# Allegro board FRDM-A-S32K356_PCBLayout.brd (continued)
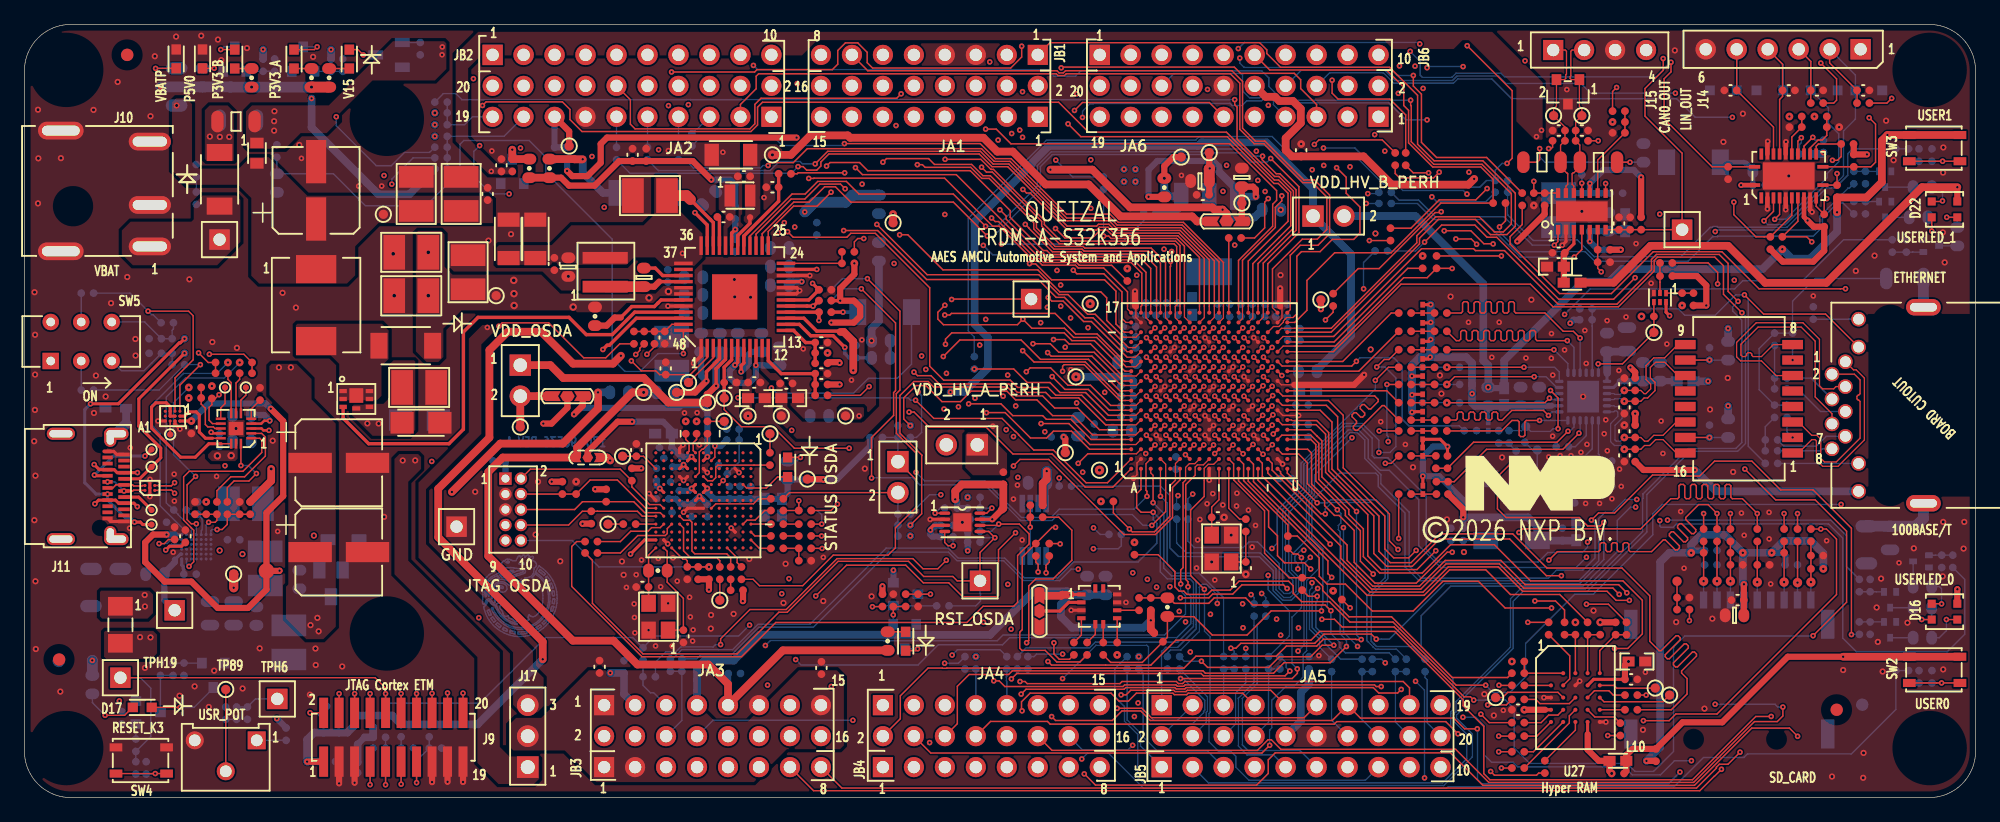
[diagram p0: board, top side]
## Placement (name value [footprint] x y rotation side) (continued)
U4  PTN5110  [HX2QFN16_0P4_2P7X2P7]  17.35 30.28 180 top
U5  TLV76033DBZR  [SOT-23]  25.14 17.57 0 bottom
U6  PCMF1USB3S  [WLCSP5_0P4_0P82X1P22]  10.29 25.4 90 top
U7  NX20P0407  [WLCSP12_0P4_1P3X1P7MM_SMDP]  12.15 31.29 270 top
U8  MK26FN2M0VMI18  [BGA169_0P65_9X9]  55.68 24.38 270 top
U10  NTS0102TLH  [XSON8_0P5_3P1X2P1_EP]  76.91 22.58 0 top
U11  TJA1425BHG  [QFN24_0P5_5P6X3P6_EP]  144.67 50.99 90 top
U12  TJA1043TK/1Y  [HVSON14_0P65_4P6X3P1_EP]  127.71 48.09 90 top
U13  PESD2CANFD24L-TR  [SOT23_A]  126.57 57.89 180 top
U14  KSZ8091RNDIA-TR  [QFN24_4X4MM_SLUG]  127.81 32.89 270 bottom
U17  FXLS8961AFR3  [QFN12_0P65_3X3]  88.14 15.69 0 top
U18  P3T1750DP  [TSSOP8_A]  82.8 21.97 90 bottom
U21  NC7SZ08L6X  [MICROPACK6_0P5_1X1P45]  134.11 41.02 270 top
U27  IS66WVH8M8FBLL  [PBGA24_1_6X8MM]  127.18 8.21 0 top
Y1  16MHZ  [XTLOSC4_3P2X2P5MM_SM]  98.15 20.43 90 top
Y2  16MHZ  [XTLOSC4_3P2X2P5MM_SM]  51.98 14.84 90 top
Y3  25MHz  [XTL4_2P1X1P7MM_SM]  128.65 25.87 270 bottom
Y4  50MHZ  [XTLOSC4_SM]  121.95 23.62 90 bottom

## Library data of the parts
C1 C3 C8 C9 C13 C16 C18 C26 C34 C36 C39-C42 C44-C48 C55-C57 C62 C63 C96-C98 C100 C103 C107 C109 C111 C115 C132 C143-C147 C149-C155 C157-C159 C163-C166 C174 = CAP_NP: room: ETHERNET RMII/MII 10/100PHY
C2 C4 C5 C7 C11 C14 C15 C17 C19 C21-C25 C27 C28 C30 C31 C33 C35 C37 C43 C49 C54 C64-C69 C72-C76 C79 C81-C92 C95 C101 C106 C110 C116-C120 C122-C131 C148 C160 C173 C175-C177 C180-C189 = CAP_NP
C6 C161 C162 = CAP_POL
C10 C12 C20 C29 C32 C102 C108 = CAP_NP: room: MCU HDRs
C50-C53 C58-C61 C70 C71 C77 C78 C80 C121 C167-C172 = CAP_NP: room: POWER SUPPLY_SW
C93 C94 C104 C105 C113 C114 C178 C179 = CAP_NP: room: OPENSDA MCU
C99 = CAP_NP: tolerance: 10%; room: OPENSDA MCU
C112 = CAP_NP: room: CAN-FD PHY
C156 = CAP_NP: room: ARDUINO HDRS
D1 D2 D8 D11 D21 = DIODE_SCHTKY
D3-D6 D10 D17 D18 = LED
D7 = DIODEZ_SOT23
D9 = LED: room: OPENSDA MCU
D14 D15 D23 D24 = DIODE_BIDIR
D16 D22 = LRTBR48G_4P
D20 = DIODE_SCHTKY: room: LIN PHY
F1 F2 = FUSE
J7 = CON_RJ45_1X8_YG
J9 JA2 JA5 JA6 = CONN_HDR_10X2
J10 = DC_POWER_JACK_SHD: room: POWER SUPPLY_LR
J11 = USB24_TYPEC
J12 JP4 JP5 JP11 = CONN_HDR_2X1
J13 = CONN_HDR_5X2
J14 = CONN_HDR_6X1
J15 = CONN_HDR_4X1
J16 = CON_MICROSD_9P_4G
J17 = CONN_HDR_3X1
JA1 JA3 JA4 = CONN_HDR_8X2
JB1 JB3 JB4 = CONN_HDR_8X1
JB2 JB5 JB6 = CONN_HDR_10X1
L1 = INDP
L2-L4 L8 = INDUCTOR
L6 L7 L10 = IND_FERRITE: tolerance: 25%; room: FLEXRAY
L9 = IND_FERRITE
Q1 = BUK6D23-40E_SOT1220_8P
Q2 Q7-Q10 Q12-Q16 = NPN
Q3 = MOSFET_N: room: POWER SUPPLY_SW
Q5 = TRAN_NPN_SOT223
Q6 Q11 = PNP
R1 R4 R6 R11 R12 R17 R20-R22 R24 R26-R29 R31 R32 R34 R35 R37-R39 R42 R43 R46 R47 R50 R51 R59 R61 R62 R79 R82 R83 R123 R128 R136 R155 R166 R174 R175 R185-R193 R195 R196 R201 R203-R205 R208 R218 R221 R222 R224 R227 R235 R238 R240 R248 R251 R254-R256 R259 R261 R263 R267 R350-R353 R364 R401 R403 R404 R438 R439 R448 R449 R452-R454 R495 R500-R502 R516-R520 R523 R525-R534 R713-R715 R730-R733 R743 R745-R747 R752-R756 R763-R768 R770-R774 R777 R781 R782 R795-R798 R803 R805 R806 = RES
R2 R3 R7 R48 R52-R58 R60 R73-R76 R80 R84 R85 R89-R91 R93-R96 R113 R114 R177 R398-R400 R405 R412 R413 R415 R417-R419 R422 R424 R426-R433 R435 R748-R751 R799-R802 = RES: room: LIN PHY
R5 R9 R10 R86 R88 R98-R102 R104-R111 R116 R118-R121 R124-R127 R134 R135 R137 R139 R140 R142 R144 R145 R147 R148 R320 R361 R363 R365 R367 R368 R440 R455-R458 R778 R784 = RES: room: OPENSDA MCU
R8 R18 R321 R322 R442 R785 R786 = RES: room: POWER SUPPLY_LR
R14 R441 = RES: tolerance: 1%; room: POWER SUPPLY_LR
R15 = RES: room: POWER SUPPLY_SW
R23 R33 R40 R87 R92 R97 R112 R115 R117 R129-R133 R138 R141 R143 R149-R154 R156-R165 R167-R169 R216 R217 R362 R366 R369 R521 R522 R524 R538 R540 R542 R544 = RES: tolerance: 1%; room: OPENSDA MCU
R44 R335 R340 R342 R788 R790 R792 = RES: room: USER PERIPHERALS
R170-R173 R179-R182 R345-R349 R354 R355 R357 R358 R360 R804 = RES: tolerance: 1%; room: TWIRPI
R176 R178 = RES: room: CAN-FD PHY
R184 R198 R209 R211 = RES: signal model: RES_RC0402_25_DISCRETE_0.45_MM__0
R197 = RES: signal model: RES_RC0201_DISCRETE_0.26MM_47_1_22
R210 R241 R242 R249 R257 = RES: signal model: DEFAULT_RESISTOR_0.001OHM_1_2
R219 R226 R264 R268 R333 R338 R341 R343 R344 R356 R359 R396 R397 R537 R539 R541 R543 R734 R735 R787 R789 R791 = RES: tolerance: 1%
R220 R223 R234 R243 R244 R270 R271 = RES: room: SAI
R228 R229 R232 = RES: signal model: DEFAULT_RESISTOR_33.000000OHM_1_2; room: SAI
R239 = RES: signal model: resistor50
R370 = POT
R406 R407 R409 R414 R421 = RES: room: LIN PHY; signal model: RES_RC0201_DISCRETE_0.26MM_47_1_22
R416 R420 R425 = RES: room: LIN PHY; signal model: RES_RC0402_25_DISCRETE_0.45_MM__0
R742 R744 R769 R783 = RES: room: ETHERNET SWITCH
R757-R762 R775 R776 R779 R780 = RES: room: TWIRPI
SJ1 SJ4 SJ5 = 3_Pad_Solder_Blob_Jumper_short
SJ2 = RES_3PIN_C
SW2-SW4 = SW_PSHBT_SPST_2
SW5 = SW_DPDT_3
T1 = SM13072APEL_XFMR16P
TP8 TP9 TP63 TP65 TP119-TP129 = TESTLOOP: room: LIN PHY
TP15-TP19 TP130-TP132 = TESTLOOP: room: POWER SUPPLY_LR
TP20 TP29 TP44 = TESTLOOP: room: OPENSDA MCU
TP21-TP28 TPAD20-TPAD22 TPAD24-TPAD29 TPAD44 TPAD45 = TESTLOOP
TP58 TP59 = TESTLOOP: room: CAN-FD PHY
TP89 = TESTLOOP: room: USER PERIPHERALS
TP90 TP117 TP118 TP133 TP134 = TESTLOOP: room: ARDUINO HDRS
TP135 = TESTLOOP: room: ETHERNET SWITCH
TPH2 TPH3 TPH6 TPH10 TPH11 TPH19 TPH23 TPH24 = CONN_HDR_1X1_TH
U1 = PFS26ZZXMA0D_LQFP_48
U2 = S32K358G_BGA289
U3 = NX20P3483UK_42P
U4 = PTN5110_QFN16
U5 = LM3480IM3
U6 = PESD1USB30_5P
U7 = NX20P0407_WLCSP12_A
U8 = MK26FN2M0VMI18_BGA_169P
U10 = NTS0102TL_9P
U11 = TJA1425CHG_24P
U12 = TJA1043TK_14P_A
U13 = ESD_DIODE_2LINE
U14 = KSZ8091RND_QFN_24P
U17 = FXLS8961AFR3_QFN12
U18 = P3T2175DP_TSSOP8
U21 = GATE_AND_6P
U27 = S27KS0641DPBHI023_FBGA24
Y1-Y3 = XTAL_13
Y4 = CLKGEN-SM

## Footprints (pads in the part's own frame, mm; a bottom-side part is the same pattern mirrored in y, then rotated)
3PIN_0402X2_A
  custom 0.935x0.762 smd: 1(0.978,0) 3(-0.978,0)
  custom 0.889x0.762 smd: 2(0,0)
3PIN_0603_SOLDER_BLOB_JUMPER_SHORT
  custom 1.194x0.813 smd: 1(0,0)
  custom 1.429x0.813 smd: 2(1.254,0) 3(-1.254,0)
BGA169_0P65_9X9
  round 0.254 smd: A1(-3.9,3.9) A2(-3.25,3.9) A3(-2.6,3.9) A4(-1.95,3.9) A5(-1.3,3.9) A6(-0.65,3.9) A7(0,3.9) A8(0.65,3.9) A9(1.3,3.9) A10(1.95,3.9) A11(2.6,3.9) A12(3.25,3.9) A13(3.9,3.9) B1(-3.9,3.25) B2(-3.25,3.25) B3(-2.6,3.25) B4(-1.95,3.25) B5(-1.3,3.25) B6(-0.65,3.25) B7(0,3.25) B8(0.65,3.25) B9(1.3,3.25) B10(1.95,3.25) B11(2.6,3.25) B12(3.25,3.25) B13(3.9,3.25) C1(-3.9,2.6) C2(-3.25,2.6) C3(-2.6,2.6) C4(-1.95,2.6) C5(-1.3,2.6) C6(-0.65,2.6) C7(0,2.6) C8(0.65,2.6) C9(1.3,2.6) C10(1.95,2.6) C11(2.6,2.6) C12(3.25,2.6) C13(3.9,2.6) D1(-3.9,1.95) D2(-3.25,1.95) D3(-2.6,1.95) D4(-1.95,1.95) D5(-1.3,1.95) D6(-0.65,1.95) D7(0,1.95) D8(0.65,1.95) D9(1.3,1.95) D10(1.95,1.95) D11(2.6,1.95) D12(3.25,1.95) D13(3.9,1.95) E1(-3.9,1.3) E2(-3.25,1.3) E3(-2.6,1.3) E4(-1.95,1.3) E5(-1.3,1.3) E6(-0.65,1.3) E7(0,1.3) E8(0.65,1.3) E9(1.3,1.3) E10(1.95,1.3) E11(2.6,1.3) E12(3.25,1.3) E13(3.9,1.3) F1(-3.9,0.65) F2(-3.25,0.65) F3(-2.6,0.65) F4(-1.95,0.65) F5(-1.3,0.65) F6(-0.65,0.65) F7(0,0.65) F8(0.65,0.65) F9(1.3,0.65) F10(1.95,0.65) F11(2.6,0.65) F12(3.25,0.65) F13(3.9,0.65) G1(-3.9,0) G2(-3.25,0) G3(-2.6,0) G4(-1.95,0) G5(-1.3,0) G6(-0.65,0) G7(0,0) G8(0.65,0) G9(1.3,0) G10(1.95,0) G11(2.6,0) G12(3.25,0) G13(3.9,0) H1(-3.9,-0.65) H2(-3.25,-0.65) H3(-2.6,-0.65) H4(-1.95,-0.65) H5(-1.3,-0.65) H6(-0.65,-0.65) H7(0,-0.65) H8(0.65,-0.65) H9(1.3,-0.65) H10(1.95,-0.65) H11(2.6,-0.65) H12(3.25,-0.65) H13(3.9,-0.65) J1(-3.9,-1.3) J2(-3.25,-1.3) J3(-2.6,-1.3) J4(-1.95,-1.3) J5(-1.3,-1.3) J6(-0.65,-1.3) J7(0,-1.3) J8(0.65,-1.3) J9(1.3,-1.3) J10(1.95,-1.3) J11(2.6,-1.3) J12(3.25,-1.3) J13(3.9,-1.3) K1(-3.9,-1.95) K2(-3.25,-1.95) K3(-2.6,-1.95) K4(-1.95,-1.95) K5(-1.3,-1.95) K6(-0.65,-1.95) K7(0,-1.95) K8(0.65,-1.95) K9(1.3,-1.95) K10(1.95,-1.95) K11(2.6,-1.95) K12(3.25,-1.95) K13(3.9,-1.95) L1(-3.9,-2.6) L2(-3.25,-2.6) L3(-2.6,-2.6) L4(-1.95,-2.6) L5(-1.3,-2.6) L6(-0.65,-2.6) L7(0,-2.6) L8(0.65,-2.6) L9(1.3,-2.6) L10(1.95,-2.6) L11(2.6,-2.6) L12(3.25,-2.6) L13(3.9,-2.6) M1(-3.9,-3.25) M2(-3.25,-3.25) M3(-2.6,-3.25) M4(-1.95,-3.25) M5(-1.3,-3.25) M6(-0.65,-3.25) M7(0,-3.25) M8(0.65,-3.25) M9(1.3,-3.25) M10(1.95,-3.25) M11(2.6,-3.25) M12(3.25,-3.25) M13(3.9,-3.25) N1(-3.9,-3.9) N2(-3.25,-3.9) N3(-2.6,-3.9) N4(-1.95,-3.9) N5(-1.3,-3.9) N6(-0.65,-3.9) N7(0,-3.9) N8(0.65,-3.9) N9(1.3,-3.9) N10(1.95,-3.9) N11(2.6,-3.9) N12(3.25,-3.9) N13(3.9,-3.9)
BGA289_0P8_14X14_1P52MM
  round 0.33 smd: A1(-6.4,6.4) A2(-5.6,6.4) A3(-4.8,6.4) A4(-4,6.4) A5(-3.2,6.4) A6(-2.4,6.4) A7(-1.6,6.4) A8(-0.8,6.4) A9(0,6.4) A10(0.8,6.4) A11(1.6,6.4) A12(2.4,6.4) A13(3.2,6.4) A14(4,6.4) A15(4.8,6.4) A16(5.6,6.4) A17(6.4,6.4) B1(-6.4,5.6) B2(-5.6,5.6) B3(-4.8,5.6) B4(-4,5.6) B5(-3.2,5.6) B6(-2.4,5.6) B7(-1.6,5.6) B8(-0.8,5.6) B9(0,5.6) B10(0.8,5.6) B11(1.6,5.6) B12(2.4,5.6) B13(3.2,5.6) B14(4,5.6) B15(4.8,5.6) B16(5.6,5.6) B17(6.4,5.6) C1(-6.4,4.8) C2(-5.6,4.8) C3(-4.8,4.8) C4(-4,4.8) C5(-3.2,4.8) C6(-2.4,4.8) C7(-1.6,4.8) C8(-0.8,4.8) C9(0,4.8) C10(0.8,4.8) C11(1.6,4.8) C12(2.4,4.8) C13(3.2,4.8) C14(4,4.8) C15(4.8,4.8) C16(5.6,4.8) C17(6.4,4.8) D1(-6.4,4) D2(-5.6,4) D3(-4.8,4) D4(-4,4) D5(-3.2,4) D6(-2.4,4) D7(-1.6,4) D8(-0.8,4) D9(0,4) D10(0.8,4) D11(1.6,4) D12(2.4,4) D13(3.2,4) D14(4,4) D15(4.8,4) D16(5.6,4) D17(6.4,4) E1(-6.4,3.2) E2(-5.6,3.2) E3(-4.8,3.2) E4(-4,3.2) E5(-3.2,3.2) E6(-2.4,3.2) E7(-1.6,3.2) E8(-0.8,3.2) E9(0,3.2) E10(0.8,3.2) E11(1.6,3.2) E12(2.4,3.2) E13(3.2,3.2) E14(4,3.2) E15(4.8,3.2) E16(5.6,3.2) E17(6.4,3.2) F1(-6.4,2.4) F2(-5.6,2.4) F3(-4.8,2.4) F4(-4,2.4) F5(-3.2,2.4) F6(-2.4,2.4) F7(-1.6,2.4) F8(-0.8,2.4) F9(0,2.4) F10(0.8,2.4) F11(1.6,2.4) F12(2.4,2.4) F13(3.2,2.4) F14(4,2.4) F15(4.8,2.4) F16(5.6,2.4) F17(6.4,2.4) G1(-6.4,1.6) G2(-5.6,1.6) G3(-4.8,1.6) G4(-4,1.6) G5(-3.2,1.6) G6(-2.4,1.6) G7(-1.6,1.6) G8(-0.8,1.6) G9(0,1.6) G10(0.8,1.6) G11(1.6,1.6) G12(2.4,1.6) G13(3.2,1.6) G14(4,1.6) G15(4.8,1.6) G16(5.6,1.6) G17(6.4,1.6) H1(-6.4,0.8) H2(-5.6,0.8) H3(-4.8,0.8) H4(-4,0.8) H5(-3.2,0.8) H6(-2.4,0.8) H7(-1.6,0.8) H8(-0.8,0.8) H9(0,0.8) H10(0.8,0.8) H11(1.6,0.8) H12(2.4,0.8) H13(3.2,0.8) H14(4,0.8) H15(4.8,0.8) H16(5.6,0.8) H17(6.4,0.8) J1(-6.4,0) J2(-5.6,0) J3(-4.8,0) J4(-4,0) J5(-3.2,0) J6(-2.4,0) J7(-1.6,0) J8(-0.8,0) J9(0,0) J10(0.8,0) J11(1.6,0) J12(2.4,0) J13(3.2,0) J14(4,0) J15(4.8,0) J16(5.6,0) J17(6.4,0) K1(-6.4,-0.8) K2(-5.6,-0.8) K3(-4.8,-0.8) K4(-4,-0.8) K5(-3.2,-0.8) K6(-2.4,-0.8) K7(-1.6,-0.8) K8(-0.8,-0.8) K9(0,-0.8) K10(0.8,-0.8) K11(1.6,-0.8) K12(2.4,-0.8) K13(3.2,-0.8) K14(4,-0.8) K15(4.8,-0.8) K16(5.6,-0.8) K17(6.4,-0.8) L1(-6.4,-1.6) L2(-5.6,-1.6) L3(-4.8,-1.6) L4(-4,-1.6) L5(-3.2,-1.6) L6(-2.4,-1.6) L7(-1.6,-1.6) L8(-0.8,-1.6) L9(0,-1.6) L10(0.8,-1.6) L11(1.6,-1.6) L12(2.4,-1.6) L13(3.2,-1.6) L14(4,-1.6) L15(4.8,-1.6) L16(5.6,-1.6) L17(6.4,-1.6) M1(-6.4,-2.4) M2(-5.6,-2.4) M3(-4.8,-2.4) M4(-4,-2.4) M5(-3.2,-2.4) M6(-2.4,-2.4) M7(-1.6,-2.4) M8(-0.8,-2.4) M9(0,-2.4) M10(0.8,-2.4) M11(1.6,-2.4) M12(2.4,-2.4) M13(3.2,-2.4) M14(4,-2.4) M15(4.8,-2.4) M16(5.6,-2.4) M17(6.4,-2.4) N1(-6.4,-3.2) N2(-5.6,-3.2) N3(-4.8,-3.2) N4(-4,-3.2) N5(-3.2,-3.2) N6(-2.4,-3.2) N7(-1.6,-3.2) N8(-0.8,-3.2) N9(0,-3.2) N10(0.8,-3.2) N11(1.6,-3.2) N12(2.4,-3.2) N13(3.2,-3.2) N14(4,-3.2) N15(4.8,-3.2) N16(5.6,-3.2) N17(6.4,-3.2) P1(-6.4,-4) P2(-5.6,-4) P3(-4.8,-4) P4(-4,-4) P5(-3.2,-4) P6(-2.4,-4) P7(-1.6,-4) P8(-0.8,-4) P9(0,-4) P10(0.8,-4) P11(1.6,-4) P12(2.4,-4) P13(3.2,-4) P14(4,-4) P15(4.8,-4) P16(5.6,-4) P17(6.4,-4) R1(-6.4,-4.8) R2(-5.6,-4.8) R3(-4.8,-4.8) R4(-4,-4.8) R5(-3.2,-4.8) R6(-2.4,-4.8) R7(-1.6,-4.8) R8(-0.8,-4.8) R9(0,-4.8) R10(0.8,-4.8) R11(1.6,-4.8) R12(2.4,-4.8) R13(3.2,-4.8) R14(4,-4.8) R15(4.8,-4.8) R16(5.6,-4.8) R17(6.4,-4.8) T1(-6.4,-5.6) T2(-5.6,-5.6) T3(-4.8,-5.6) T4(-4,-5.6) T5(-3.2,-5.6) T6(-2.4,-5.6) T7(-1.6,-5.6) T8(-0.8,-5.6) T9(0,-5.6) T10(0.8,-5.6) T11(1.6,-5.6) T12(2.4,-5.6) T13(3.2,-5.6) T14(4,-5.6) T15(4.8,-5.6) T16(5.6,-5.6) T17(6.4,-5.6) U1(-6.4,-6.4) U2(-5.6,-6.4) U3(-4.8,-6.4) U4(-4,-6.4) U5(-3.2,-6.4) U6(-2.4,-6.4) U7(-1.6,-6.4) U8(-0.8,-6.4) U9(0,-6.4) U10(0.8,-6.4) U11(1.6,-6.4) U12(2.4,-6.4) U13(3.2,-6.4) U14(4,-6.4) U15(4.8,-6.4) U16(5.6,-6.4) U17(6.4,-6.4)
CC0402_25
  round 0.635 smd: 1(-0.508,0) 2(0.508,0)
CC0603
  rect 0.991x0.813 smd: 1(-0.686,0) 2(0.686,0)
CC0603_OV
  oval 0.889x1.143 smd: 1(-0.762,0) 2(0.762,0)
CC0805_OV
  oval 0.889x1.524 smd: 1(-0.965,0) 2(0.965,0)
CC1206_OV
  oval 1.016x1.778 smd: 1(-1.524,0) 2(1.524,0)
CC1206_TOL0P3
  rect 1.168x1.803 smd: 1(-1.575,0) 2(1.575,0)
CC1210
  rect 1.778x2.845 smd: 1(-1.397,0) 2(1.397,0)
CCE6P8X6P8
  rect 3.556x1.651 smd: 1(-2.35,0) 2(2.35,0)
CCE6P8X6P8X8MM
  rect 3.556x1.651 smd: 1(-2.35,0) 2(2.35,0)
CON1X6_2P54MM_TH
  rect 1.676x1.676 hole 1.016: 1(0,0)
  round 1.676 hole 1.016: 2(2.54,0) 3(5.08,0) 4(7.62,0) 5(10.16,0) 6(12.7,0)
CON1X10_2P54MM_TH
  rect 1.676x1.676 hole 1.016: 1(0,0)
  round 1.676 hole 1.016: 2(2.54,0) 3(5.08,0) 4(7.62,0) 5(10.16,0) 6(12.7,0) 7(15.24,0) 8(17.78,0) 9(20.32,0) 10(22.86,0)
CON3_PWR_JACK_TH_PJ051A
  round 0 hole 2.54 unplated: (-6.3,3.3)
  oval 3.454x1.448 hole 2.819x0.813: 1(0,0) 2(0,8.6) 3(0,3.4)
  oval 3.734x1.448 hole 3.099x0.813: SH1(-7.3,9.5) SH2(-7.3,-0.4)
CON9_SDCARD_1P1_15P05X14P75_SM
  round 0 hole 0.94 unplated: (-3.875,-3.4) (2.925,-3.4)
  rect 0.61x1.397 smd: 1(2.105,8.025) 2(1.005,8.025) 3(-0.095,8.025) 4(-1.195,8.025) 5(-2.295,8.025) 6(-3.395,8.025) 7(-4.495,8.025) 8(-5.595,8.025) 9(-6.695,8.025)
  rect 1.092x2.388 smd: G1(-8.075,6.025) G2(8.075,6.025) G3(-8.075,-2.975) G4(8.075,-2.975)
CON12P_1P02_16P48X15P5_RA_TH
  round 1.194 hole 0.889: 1(0,0) 2(-1.02,1.1) 3(-2.04,0) 4(-3.06,1.1) 5(-4.08,0) 6(-5.1,1.1) 7(-6.12,0) 8(-7.14,1.1) 9(-10.63,-1.08) 10(-8.34,-1.08) 11(1.2,-1.08) 12(3.49,-1.08)
  oval 1.346x2.845 hole 0.711x2.21: S1(4.47,-6.4) S2(-11.61,-6.4)
CON_2X8_SKT_100_TH
  rect 1.651x1.651 hole 1.016: 1(0,0)
  round 1.651 hole 1.016: 2(0,-2.54) 3(2.54,0) 4(2.54,-2.54) 5(5.08,0) 6(5.08,-2.54) 7(7.62,0) 8(7.62,-2.54) 9(10.16,0) 10(10.16,-2.54) 11(12.7,0) 12(12.7,-2.54) 13(15.24,0) 14(15.24,-2.54) 15(17.78,0) 16(17.78,-2.54)
CON_SKT1X4_TH_346H
  rect 1.651x1.651 hole 1.016: 1(0,0)
  round 1.651 hole 1.016: 2(0,-2.54) 3(0,-5.08) 4(0,-7.62)
CON_SKT1X8_TH_380H
  rect 1.651x1.651 hole 1.016: 1(0,0)
  round 1.651 hole 1.016: 2(0,-2.54) 3(0,-5.08) 4(0,-7.62) 5(0,-10.16) 6(0,-12.7) 7(0,-15.24) 8(0,-17.78)
CON_SKT2X10_TH
  rect 1.651x1.651 hole 1.016: 1(0,0)
  round 1.651 hole 1.016: 2(-2.54,0) 3(0,-2.54) 4(-2.54,-2.54) 5(0,-5.08) 6(-2.54,-5.08) 7(0,-7.62) 8(-2.54,-7.62) 9(0,-10.16) 10(-2.54,-10.16) 11(0,-12.7) 12(-2.54,-12.7) 13(0,-15.24) 14(-2.54,-15.24) 15(0,-17.78) 16(-2.54,-17.78) 17(0,-20.32) 18(-2.54,-20.32) 19(0,-22.86) 20(-2.54,-22.86)
CON_TYPE-C_20MIL_RA_LDI
  oval 1.549x0.991 hole 1.194x0.61: (-4.02,2.725) (4.02,2.725)
  round 0 hole 0.559 unplated: (-3.4,1.875) (3.4,1.875)
  rect 0.305x0.94 smd: A1(-2.625,3.85) A2(-2.125,3.85) A3(-1.625,3.85) A4(-1.125,3.85) A5(-0.625,3.85) A6(-0.125,3.85) A7(0.375,3.85) A8(0.875,3.85) A9(1.375,3.85) A10(1.875,3.85) A11(2.375,3.85) A12(2.875,3.85)
  rect 0.305x0.838 smd: B1(2.625,2.5) B2(2.125,2.5) B3(1.625,2.5) B4(1.125,2.5) B5(0.625,2.5) B6(0.125,2.5) B7(-0.375,2.5) B8(-0.875,2.5) B9(-1.375,2.5) B10(-1.875,2.5) B11(-2.375,2.5)
  oval 0.305x0.838 smd: B12(-2.875,2.5)
  oval 0.991x2.311 hole 0.61x1.905: SH1(-4.32,-1.325) SH2(4.32,-1.325)
  oval 0.991x2.007 hole 0.61x1.6: SH3(-4.32,3.225) SH4(4.32,3.225)
FUSE_1P6X0P8_22H
  rect 0.864x1.092 smd: 1(-0.838,0) 2(0.838,0)
FUSE_3P2X1P6
  rect 1.524x2.032 smd: 1(-1.52,0) 2(1.52,0)
HDR1X2_5P48X2P69
  rect 1.753x1.753 hole 1.118: 1(0,0)
  round 1.753 hole 1.118: 2(2.54,0)
HDR103_A
  rect 1.778x1.778 hole 1.143: 1(0,0)
  round 1.778 hole 1.143: 2(0,-2.54) 3(0,-5.08)
HDR205_50_TH_172H
  rect 1.016x1.016 hole 0.66: 1(0,0)
  round 1.016 hole 0.66: 2(0,1.27) 3(1.27,0) 4(1.27,1.27) 5(2.54,0) 6(2.54,1.27) 7(3.81,0) 8(3.81,1.27) 9(5.08,0) 10(5.08,1.27)
HDR_1X1
  rect 1.676x1.676 hole 1.016: 1(0,0)
HDR_2X10_13P0X3P5_SMT
  rect 0.737x2.489 smd: 1(-5.715,-2) 2(-5.715,2) 3(-4.445,-2) 4(-4.445,2) 5(-3.175,-2) 6(-3.175,2) 7(-1.905,-2) 8(-1.905,2) 9(-0.635,-2) 10(-0.635,2) 11(0.635,-2) 12(0.635,2) 13(1.905,-2) 14(1.905,2) 15(3.175,-2) 16(3.175,2) 17(4.445,-2) 18(4.445,2) 19(5.715,-2) 20(5.715,2)
HVSON14_0P65_4P6X3P1_EP
  rect 0.787x0.356 smd: 1(-1.5,1.95) 2(-1.5,1.3) 3(-1.5,0.65) 4(-1.5,0) 5(-1.5,-0.65) 6(-1.5,-1.3) 7(-1.5,-1.95) 8(1.5,-1.95) 9(1.5,-1.3) 10(1.5,-0.65) 11(1.5,0) 12(1.5,0.65) 13(1.5,1.3) 14(1.5,1.95)
  rect 1.651x4.242 smd: 15(0,0)
HX2QFN16_0P4_2P7X2P7
  rect 0.813x0.203 smd: 1(-1.25,0.8) 2(-1.25,0.4) 3(-1.25,0) 4(-1.25,-0.4) 5(-1.25,-0.8) 9(1.25,-0.8) 10(1.25,-0.4) 11(1.25,0) 12(1.25,0.4) 13(1.25,0.8)
  rect 0.203x0.813 smd: 6(-0.4,-1.25) 7(0,-1.25) 8(0.4,-1.25) 14(0.4,1.25) 15(0,1.25) 16(-0.4,1.25)
  rect 1.194x1.092 smd: 17(0,0)
IND2_7P4X6P9_SM
  rect 2.311x3.302 smd: 1(-2.95,0) 2(2.95,0)
IND2_XAL40
  rect 0.965x3.708 smd: 1(-1.185,0) 2(1.185,0)
IND_1P8X1MM_SM
  rect 0.991x0.711 smd: 1(-0.845,0) 2(0.845,0)
IND_0603
  rect 0.991x0.813 smd: 1(-0.69,0) 2(0.69,0)
IND_2016A
  rect 0.864x1.803 smd: 1(-0.835,0) 2(0.835,0)
LED4_2P7X2P6_SM
  rect 0.66x0.66 smd: 1(-1.05,-0.65) 2(1.05,-0.65) 3(1.05,0.65) 4(-1.05,0.65)
LED_0603
  rect 0.838x0.787 smd: A(-0.775,0) C(0.775,0)
LED_0603_H020
  rect 0.813x0.762 smd: A(-0.8,0) C(0.8,0)
LQFP48_EP146MIL
  rect 1.524x0.279 smd: 1(-4.204,2.752) 2(-4.204,2.252) 3(-4.204,1.751) 4(-4.204,1.251) 5(-4.204,0.751) 6(-4.204,0.25) 7(-4.204,-0.25) 8(-4.204,-0.751) 9(-4.204,-1.251) 10(-4.204,-1.751) 11(-4.204,-2.252) 12(-4.204,-2.752) 25(4.204,-2.752) 26(4.204,-2.252) 27(4.204,-1.751) 28(4.204,-1.251) 29(4.204,-0.751) 30(4.204,-0.25) 31(4.204,0.25) 32(4.204,0.751) 33(4.204,1.251) 34(4.204,1.751) 35(4.204,2.252) 36(4.204,2.752)
  rect 0.279x1.524 smd: 13(-2.752,-4.204) 14(-2.252,-4.204) 15(-1.751,-4.204) 16(-1.251,-4.204) 17(-0.751,-4.204) 18(-0.25,-4.204) 19(0.25,-4.204) 20(0.751,-4.204) 21(1.251,-4.204) 22(1.751,-4.204) 23(2.252,-4.204) 24(2.752,-4.204) 37(2.752,4.204) 38(2.252,4.204) 39(1.751,4.204) 40(1.251,4.204) 41(0.751,4.204) 42(0.25,4.204) 43(-0.25,4.204) 44(-0.751,4.204) 45(-1.251,4.204) 46(-1.751,4.204) 47(-2.252,4.204) 48(-2.752,4.204)
  rect 3.708x3.708 smd: 49(0,0)
MICROPACK6_0P5_1X1P45
  rect 0.533x0.305 smd: 1(-0.362,0.5)
  rect 0.508x0.305 smd: 2(-0.375,0) 3(-0.375,-0.5) 4(0.375,-0.5) 5(0.375,0) 6(0.375,0.5)
PBGA24_1_6X8MM
  round 0.33 smd: A2(-1,2) A3(0,2) A4(1,2) A5(2,2) B1(-2,1) B2(-1,1) B3(0,1) B4(1,1) B5(2,1) C1(-2,0) C2(-1,0) C3(0,0) C4(1,0) C5(2,0) D1(-2,-1) D2(-1,-1) D3(0,-1) D4(1,-1) D5(2,-1) E1(-2,-2) E2(-1,-2) E3(0,-2) E4(1,-2) E5(2,-2)
POT3_3362W
  rect 1.473x1.473 hole 0.965: 1(0,0)
  round 1.473 hole 0.965: 2(2.54,2.54) 3(5.08,0)
QFN12_0P65_3X3
  rect 0.686x0.33 smd: 1(-1.468,0.975) 2(-1.468,0.325) 3(-1.468,-0.325) 4(-1.468,-0.975) 7(1.468,-0.975) 8(1.468,-0.325) 9(1.468,0.325) 10(1.468,0.975)
  rect 0.33x0.686 smd: 5(-0.325,-1.468) 6(0.325,-1.468) 11(0.325,1.468) 12(-0.325,1.468)
QFN24_0P5_5P6X3P6_EP
  rect 0.305x0.914 smd: 1(-0.75,2.8) 12(-0.75,-2.8) 13(0.75,-2.8) 24(0.75,2.8)
  rect 0.914x0.305 smd: 2(-1.8,2.25) 3(-1.8,1.75) 4(-1.8,1.25) 5(-1.8,0.75) 6(-1.8,0.25) 7(-1.8,-0.25) 8(-1.8,-0.75) 9(-1.8,-1.25) 10(-1.8,-1.75) 11(-1.8,-2.25) 14(1.8,-2.25) 15(1.8,-1.75) 16(1.8,-1.25) 17(1.8,-0.75) 18(1.8,-0.25) 19(1.8,0.25) 20(1.8,0.75) 21(1.8,1.25) 22(1.8,1.75) 23(1.8,2.25)
  rect 2.235x4.242 smd: 25(0,0)
QFN24_4X4MM_SLUG
  oval 0.279x0.711 smd: 1(-1.25,-1.956) 2(-0.75,-1.956) 3(-0.25,-1.956) 4(0.25,-1.956) 5(0.75,-1.956) 6(1.25,-1.956) 13(1.25,1.956) 14(0.75,1.956) 15(0.25,1.956) 16(-0.25,1.956) 17(-0.75,1.956) 18(-1.25,1.956)
  oval 0.711x0.279 smd: 7(1.956,-1.25) 8(1.956,-0.75) 9(1.956,-0.25) 10(1.956,0.25) 11(1.956,0.75) 12(1.956,1.25) 19(-1.956,1.25) 20(-1.956,0.75) 21(-1.956,0.25) 22(-1.956,-0.25) 23(-1.956,-0.75) 24(-1.956,-1.25)
  rect 2.616x2.616 smd: 25(0,0)
RC0201
  rect 0.47x0.381 smd: 1(-0.343,0) 2(0.343,0)
RC0402_25
  round 0.635 smd: 1(-0.508,0) 2(0.508,0)
RC0603_OV
  oval 0.889x1.143 smd: 1(-0.762,0) 2(0.762,0)
RC0805_OV
  oval 0.889x1.524 smd: 1(-0.965,0) 2(0.965,0)
RC1206_ERJ-8BW
  rect 1.905x1.778 smd: 1(-1.55,0) 2(1.55,0)
RC1206_OV
  oval 1.016x1.778 smd: 1(-1.524,0) 2(1.524,0)
SC_75
  rect 0.483x0.635 smd: 1(-0.5,-0.647) 2(0.5,-0.647) 3(0,0.647)
SOD323
  rect 0.889x1.219 smd: A(0,1.27) C(0,-1.27)
SOD323_BID
  rect 0.813x0.813 smd: 1(-1.1,0) 2(1.1,0)
SOD-128
  rect 1.397x2.108 smd: A(-2.2,0) C(2.2,0)
SOT23
  rect 0.762x1.219 smd: 1(-1.016,-1.092) 2(1.016,-1.092) 3(0,1.092)
SOT23_A
  rect 0.787x0.889 smd: 1(-0.94,-1.003) 2(0.94,-1.003) 3(0,1.003)
SOT223
  rect 1.194x2.21 smd: 1(-2.3,-3.1) 2(0,-3.1) 3(2.3,-3.1)
  rect 3.734x2.21 smd: 4(0,3.1)
SOT1220
  rect 0.61x0.356 smd: 1(-1.079,0.65) 2(-1.079,0) 3(-1.079,-0.65) 4(1.079,-0.65) 5(1.079,0) 6(1.079,0.65)
  rect 1.143x1.194 smd: 7(0,0.285)
  rect 0.66x0.356 smd: 8(0,-0.775)
SOT-23
  rect 1.016x1.397 smd: 1(-0.95,-1.1) 2(0.95,-1.1) 3(0,1.1)
SW4_4P15_4P2X3P2_SM
  rect 1.041x0.66 smd: 1(-2.015,1.075) 2(2.135,1.075) 3(-2.015,-1.075) 4(2.135,-1.075)
SW6_DPDT_M096H_TH
  rect 1.346x1.346 hole 0.711: 1(0,0)
  round 1.346 hole 0.711: 2(0,-2.5) 3(0,-5) 4(3.2,0) 5(3.2,-2.5) 6(3.2,-5)
TPAD_020
  round 0.508 smd: 1(0,0)
TPAD_030
  round 0.762 smd: 1(0,0)
TPAD_050
  round 1.27 smd: 1(0,0)
TSSOP8_A
  rect 1.448x0.457 smd: 1(-2.15,0.975) 2(-2.15,0.325) 3(-2.15,-0.325) 4(-2.15,-0.975) 5(2.15,-0.975) 6(2.15,-0.325) 7(2.15,0.325) 8(2.15,0.975)
unnamed#2
  round 0 hole 2.997 unplated: (0,0)
unnamed#3
  round 1.016 smd: (0,0)
WLCSP5_0P4_0P82X1P22
  round 0.254 smd: A1(-0.2,0.4) A2(0.2,0.4) B1(0,0) C1(-0.2,-0.4) C2(0.2,-0.4)
WLCSP12_0P4_1P3X1P7MM_SMDP
  round 0.254 smd: A1(-0.4,0.6) A2(0,0.6) A3(0.4,0.6) B1(-0.4,0.2) B2(0,0.2) B3(0.4,0.2) C1(-0.4,-0.2) C2(0,-0.2) C3(0.4,-0.2) D1(-0.4,-0.6) D2(0,-0.6) D3(0.4,-0.6)
WLCSP42_0P4_2P94X2P54_SMDP
  round 0.254 smd: A1(-1,1.2) A2(-0.6,1.2) A3(-0.2,1.2) A4(0.2,1.2) A5(0.6,1.2) A6(1,1.2) B1(-1,0.8) B2(-0.6,0.8) B3(-0.2,0.8) B4(0.2,0.8) B5(0.6,0.8) B6(1,0.8) C1(-1,0.4) C2(-0.6,0.4) C3(-0.2,0.4) C4(0.2,0.4) C5(0.6,0.4) C6(1,0.4) D1(-1,0) D2(-0.6,0) D3(-0.2,0) D4(0.2,0) D5(0.6,0) D6(1,0) E1(-1,-0.4) E2(-0.6,-0.4) E3(-0.2,-0.4) E4(0.2,-0.4) E5(0.6,-0.4) E6(1,-0.4) F1(-1,-0.8) F2(-0.6,-0.8) F3(-0.2,-0.8) F4(0.2,-0.8) F5(0.6,-0.8) F6(1,-0.8) G1(-1,-1.2) G2(-0.6,-1.2) G3(-0.2,-1.2) G4(0.2,-1.2) G5(0.6,-1.2) G6(1,-1.2)
XFMR16_1P27_13P05X7P15
  rect 0.762x1.702 smd: 1(-4.445,-4.4) 2(-3.175,-4.4) 3(-1.905,-4.4) 4(-0.635,-4.4) 5(0.635,-4.4) 6(1.905,-4.4) 7(3.175,-4.4) 8(4.445,-4.4) 9(4.445,4.4) 10(3.175,4.4) 11(1.905,4.4) 12(0.635,4.4) 13(-0.635,4.4) 14(-1.905,4.4) 15(-3.175,4.4) 16(-4.445,4.4)
XSON8_0P5_3P1X2P1_EP
  oval 0.914x0.279 smd: 1(-1.45,0.75) 2(-1.45,0.25) 3(-1.45,-0.25) 4(-1.45,-0.75) 5(1.45,-0.75) 6(1.45,-0.25) 7(1.45,0.25) 8(1.45,0.75)
  rect 1.499x1.499 smd: 9(0,0)
XTL4_2P1X1P7MM_SM
  rect 0.762x0.711 smd: 1(-0.675,-0.5) 2(0.675,-0.5) 3(0.675,0.5) 4(-0.675,0.5)
XTLOSC4_3P2X2P5MM_SM
  rect 1.397x1.194 smd: 1(-1.1,-0.8) 2(1.1,-0.8) 3(1.1,0.8) 4(-1.1,0.8)
XTLOSC4_SM
  rect 1.397x2.032 smd: 1(-2.54,-2.11) 2(2.54,-2.11) 3(2.54,2.11) 4(-2.54,2.11)

## Nets
GND: C2.2 C3.2 C4.2 C5.2 C6.2 C7.2 C8.2 C9.2 C10.2 C11.2 C12.2 C13.2 C14.2 C15.2 C16.2 C17.2 C18.2 C20.2 C21.2 C22.2 C24.2 C25.2 C26.2 C27.2 C28.2 C29.2 C30.2 C31.2 C32.2 C33.2 C34.2 C35.2 C36.2 C37.2 C39.2 C40.2 C41.2 C42.2 C43.2 C44.2 C45.2 C46.2 C47.2 C48.2 C49.2 C50.2 C51.2 C52.2 C53.2 C54.2 C55.2 C56.2 C57.2 C58.2 C59.2 C60.2 C61.2 C62.2 C63.2 C64.2 C65.2 C66.2 C67.2 C68.2 C69.2 C70.2 C71.2 C73.2 C74.2 C75.1 C76.2 C77.2 C78.2 C79.2 C80.2 C81.2 C82.2 C83.2 C84.2 C85.2 C86.2 C87.2 C88.2 C89.2 C90.2 C91.2 C92.2 C93.2 C94.2 C95.2 C96.2 C97.2 C98.2 C99.2 C100.2 C101.2 C102.2 C103.2 C104.2 C105.2 C106.2 C107.2 C108.2 C109.2 C110.2 C111.2 C112.2 C113.2 C114.2 C115.2 C117.2 C118.2 C119.2 C120.2 C121.2 C122.2 C123.2 C124.2 C125.2 C126.2 C127.2 C128.2 C129.2 C130.2 C131.2 C132.2 C143.2 C144.2 C145.2 C146.2 C147.2 C148.2 C149.2 C150.2 C151.2 C152.2 C153.2 C154.2 C155.2 C156.2 C157.2 C158.2 C159.2 C160.2 C161.2 C162.2 C163.2 C164.2 C165.2 C166.2 C167.2 C168.2 C169.2 C170.2 C171.2 C172.2 C173.2 C174.2 C175.2 C176.2 C177.2 C178.2 C179.2 C180.2 C181.2 C182.2 C183.2 C184.2 C185.2 C186.2 C187.2 C188.2 C189.2 D3.C(\CATHODE\) D4.C(\CATHODE\) D7.1 D14.2(\C2\) D15.2(\C2\) D23.2(\C2\) D24.2(\C2\) J9.3 J9.5 J9.15 J9.17 J9.19 J10.2 J10.3 J10.SH1 J10.SH2(\SHIELD2\) J11.A1 J11.A12 J11.B1 J11.B12 J13.3 J13.5 J14.6 J15.3 J16.6(\VSS\) J16.G1 J16.G2 J16.G3 J16.G4 JA2.13 JA3.11 JA3.13 JA5.12 JA6.12 JB1.3 JB1.4 JB3.4 JB3.6 L4.2 Q2.2(\EMITTER\) Q3.2(\SOURCE\) Q7.2(\EMITTER\) Q8.2(\EMITTER\) Q9.2(\EMITTER\) Q10.2(\EMITTER\) Q12.2(\EMITTER\) Q13.2(\EMITTER\) Q14.2(\EMITTER\) Q15.2(\EMITTER\) Q16.2(\EMITTER\) R11.2 R12.2 R18.2 R29.1 R33.2 R44.2 R86.1 R88.1 R91.2 R111.2 R112.2 R123.2 R128.2 R138.2 R144.2 R145.2 R154.2 R167.2 R168.2 R179.2 R180.2 R181.2 R182.2 R226.2 R235.2 R240.2 R268.1 R335.2 R340.2 R342.2 R344.2 R354.2 R355.2 R357.2 R358.2 R359.2 R360.2 R367.2 R368.2 R370.3 R442.2 R457.2 R458.2 R538.2 R540.2 R542.2 R544.2 R730.2 R758.2 R759.2 R760.2 R761.2 R762.2 R788.2 R790.2 R792.2 R804.2 SJ5.2 SW4.1 SW4.2 TPH3.1 U1.1 U1.19 U1.20 U1.22 U1.44 U1.49 U2.B2 U2.B16 U2.D4 U2.D9 U2.E13 U2.G7 U2.G11 U2.J1 U2.J4 U2.J5(\VSS_DCDC\) U2.J6 U2.J9 U2.J14 U2.L7 U2.L11 U2.M5 U2.N7 U2.N10 U2.P4 U2.P14 U2.T2 U2.T7 U2.T10 U2.T16 U3.A4 U3.B2 U3.B3 U3.B4 U3.B5 U4.17 U5.3 U6.B1(\GND\) U7.B3 U7.D3 U8.C3 U8.C11 U8.G3 U8.G8 U8.H8 U8.J4 U8.J8 U8.K1 U8.K4 U8.M12 U8.N7 U10.2 U10.9 U11.3 U11.6 U11.10 U11.19 U11.22 U11.25 U12.2 U12.15 U13.3(\COM_CATHODE\) U14.22 U14.25 U17.3 U17.9 U17.10 U18.4 U18.5 U18.6 U18.7 U21.3 U27.B3(\VSS\) U27.C1 U27.E5 Y1.2 Y1.4 Y2.2 Y2.4 Y3.2 Y3.4 Y4.2
GND_ENET: C116.2 C128.1 J7.S1 J7.S2(\SHIELD_2\) R235.1
P3V3_ENET: C126.1 C127.1 C131.1 C132.1 J7.9 L8.2 L9.2 R184.1 R185.1 R186.1 R191.1 R192.1 R195.1 R196.1 R197.1 R208.1 R209.1 R216.1 R217.1 R221.1 R222.1 R238.1 R239.1 R254.1 R255.1 R256.2 R264.1 R537.1 R539.1 R541.1 R543.1 R733.1 R734.1 R735.1 R744.1 U14.14 U21.6 Y4.4(\VDD\)